# Altium PCB fMAX_MB.PcbDoc (part 1 of 13) (continued)
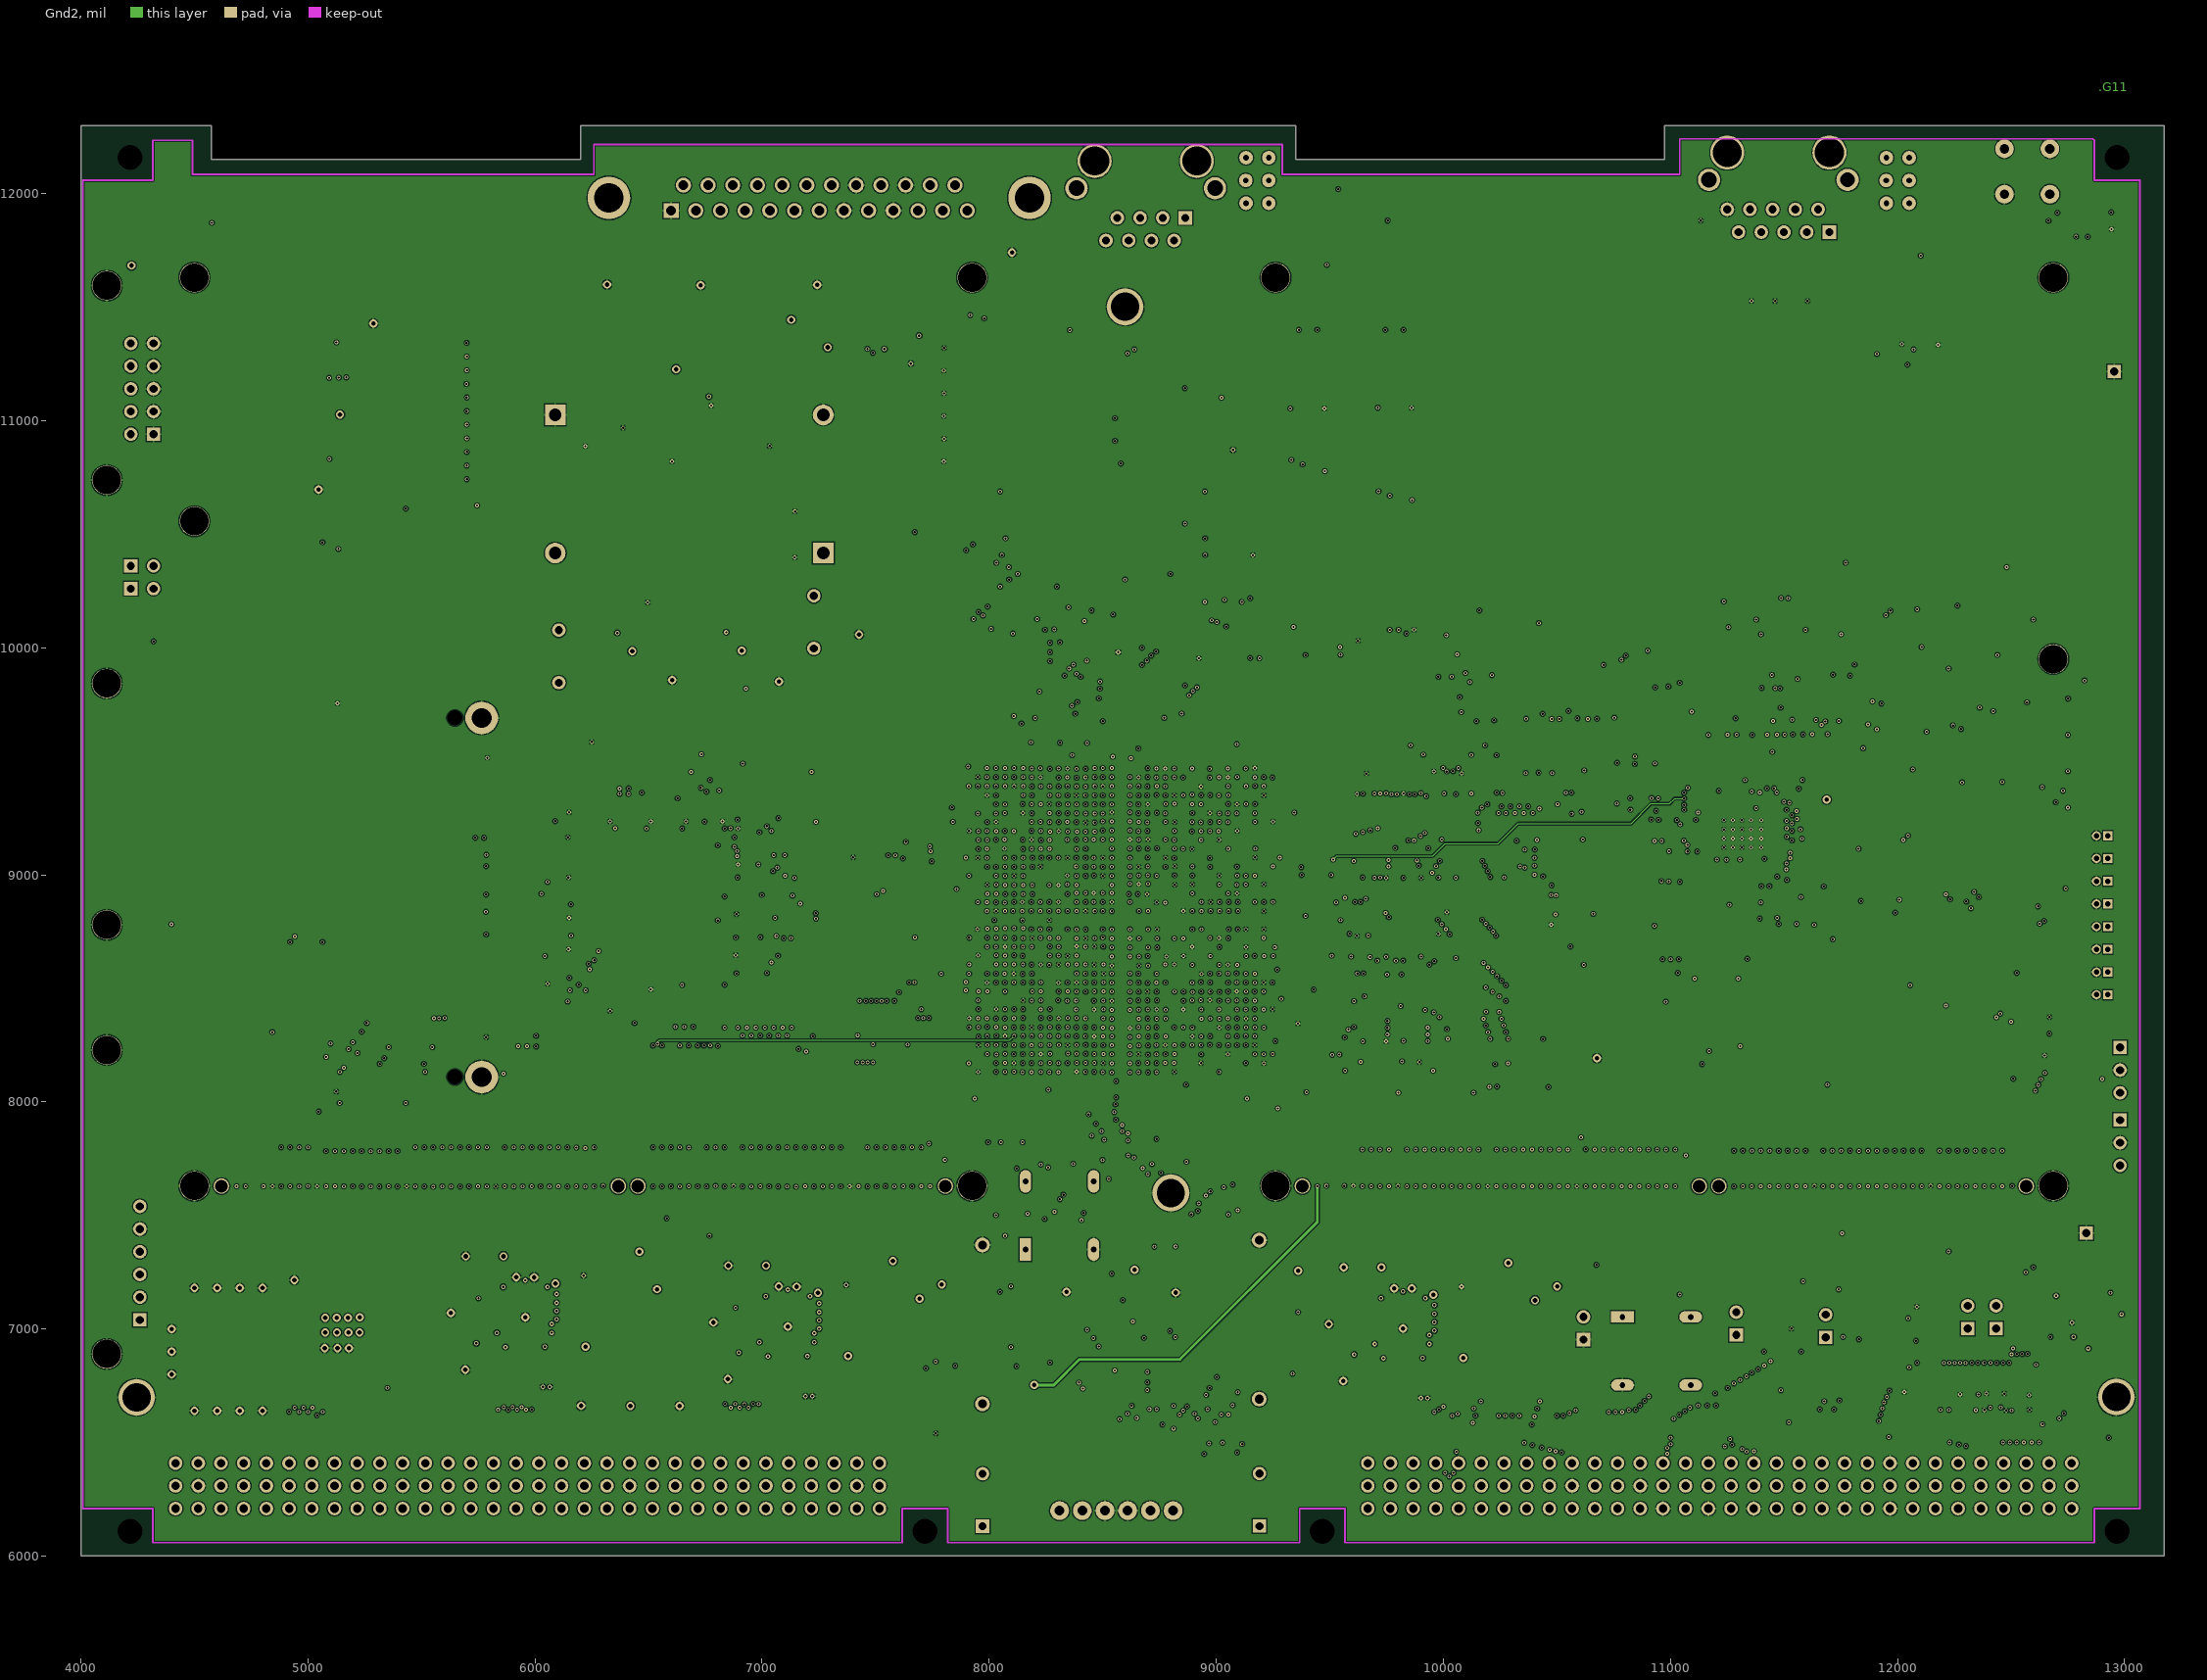
[diagram p12: Gnd2]
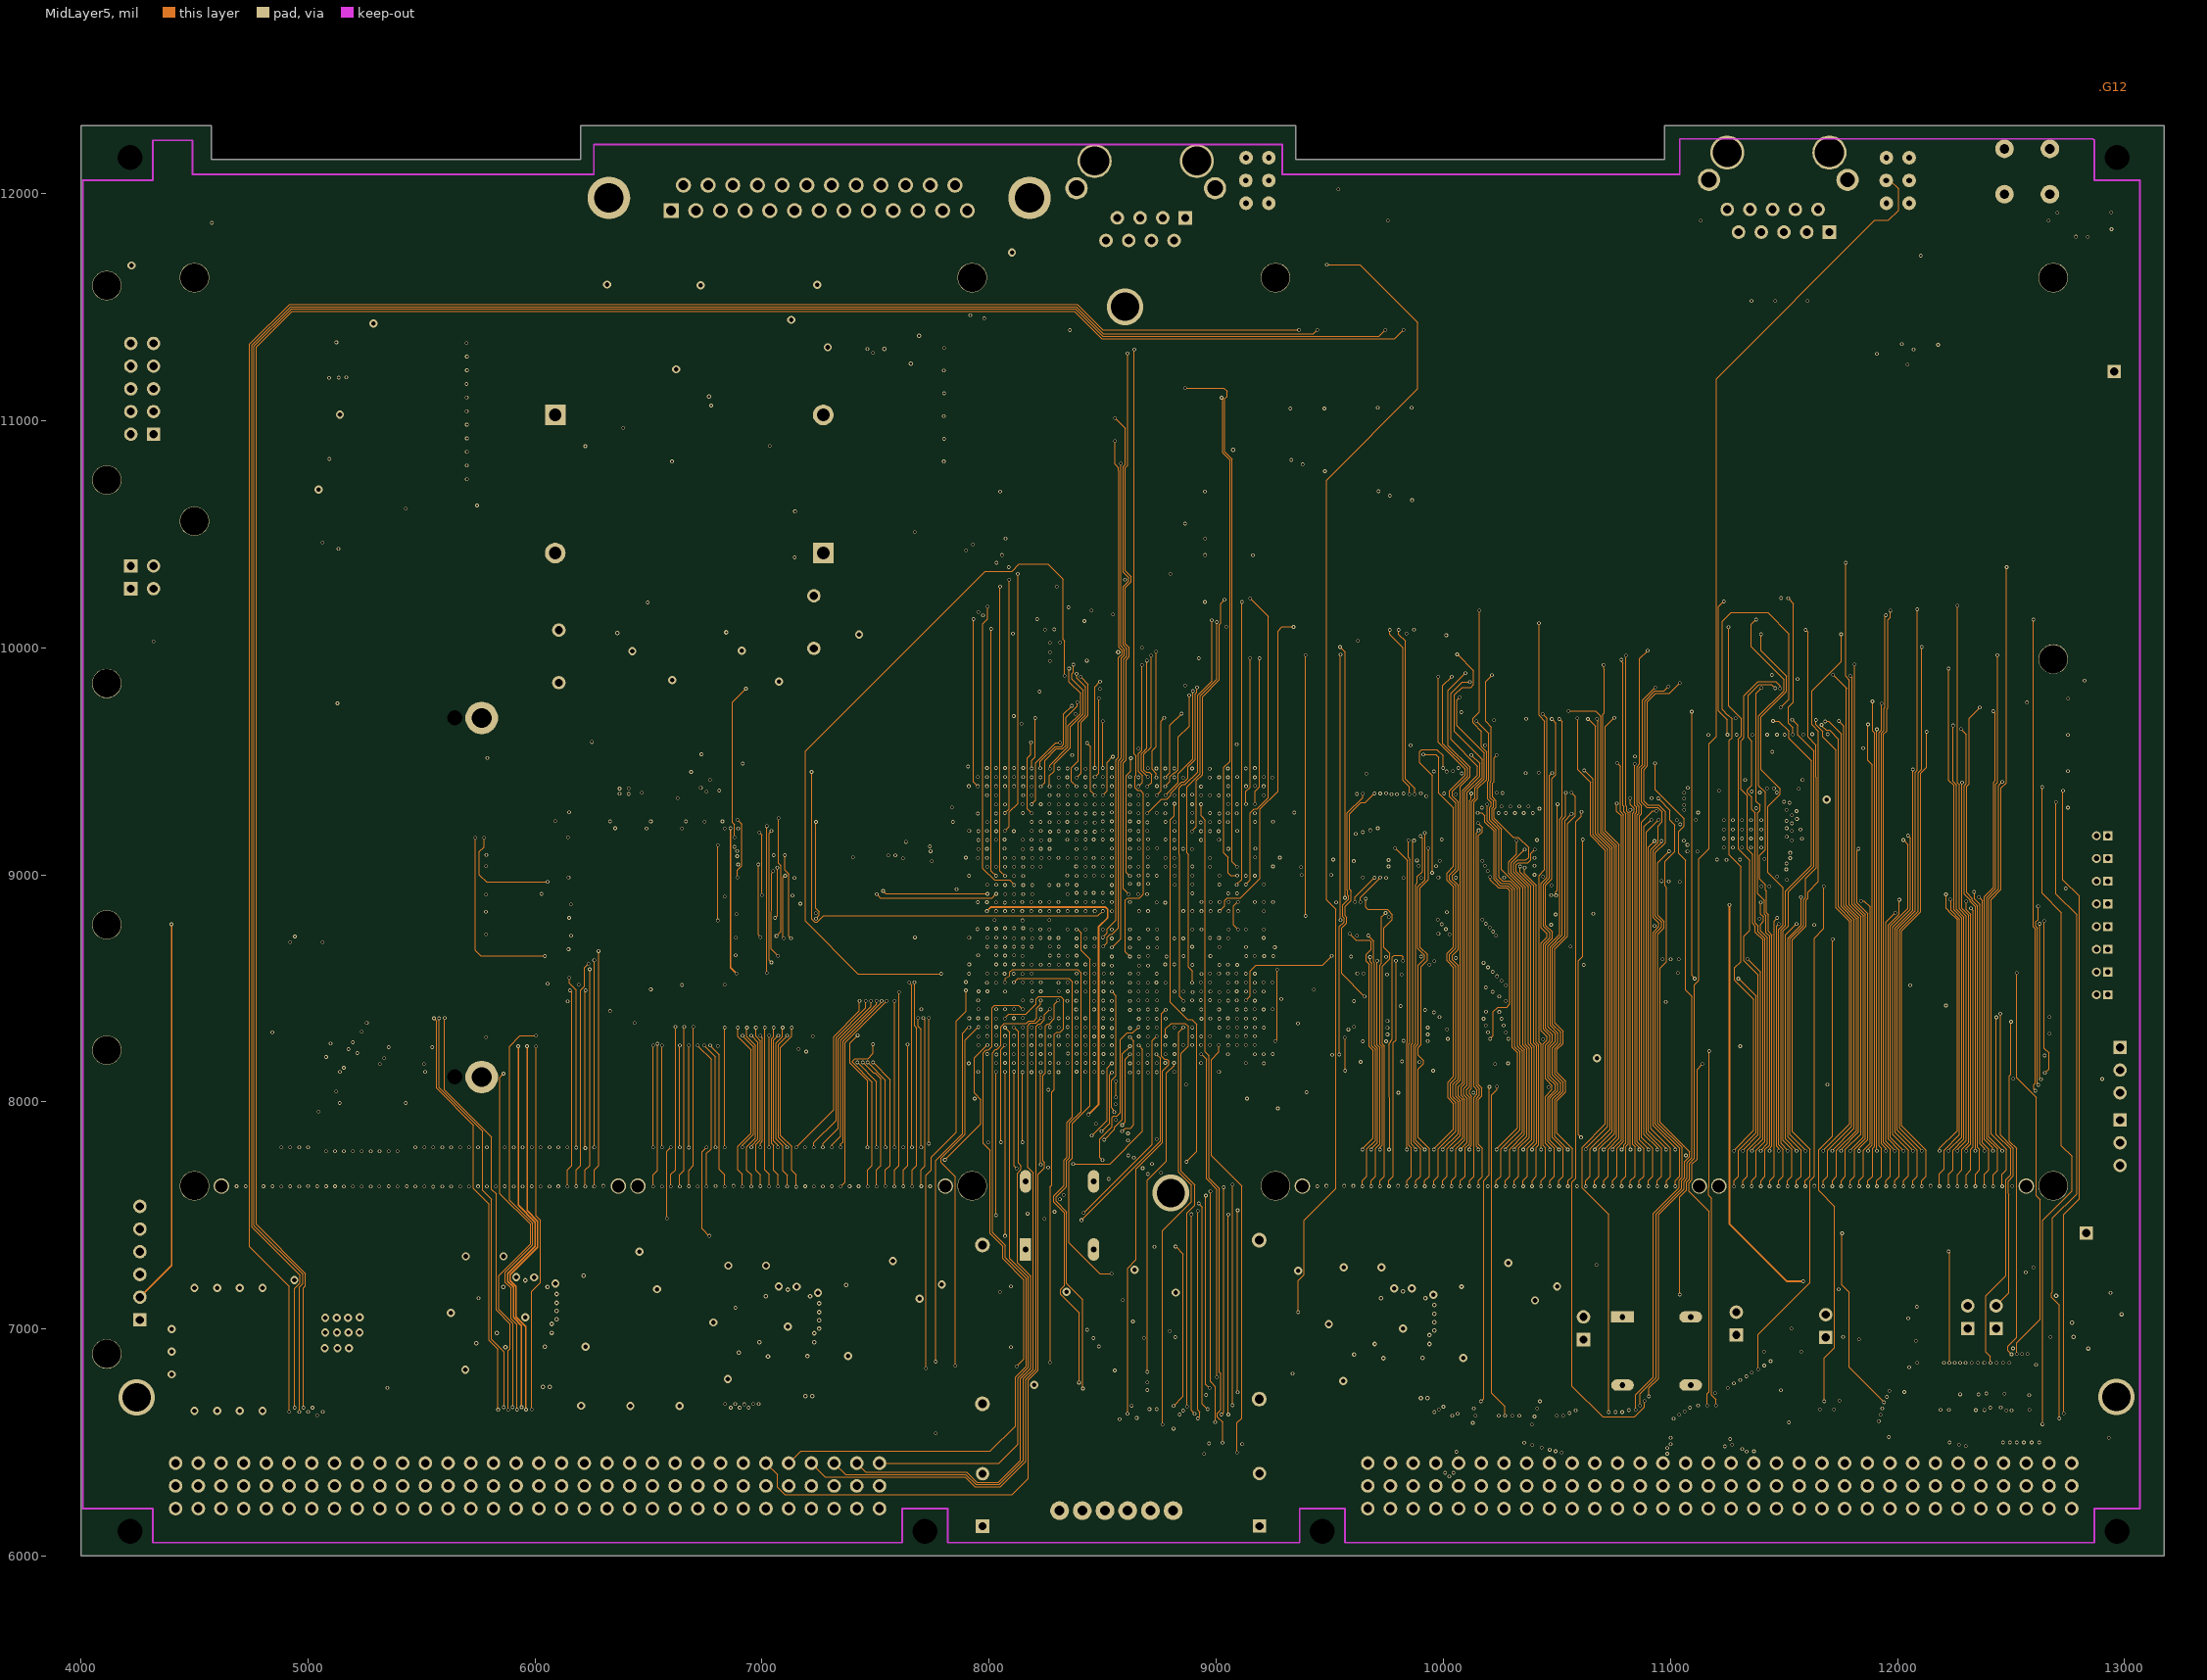
[diagram p13: MidLayer5]

## Layer stack, top to bottom
TopLayer: signal copper 1.4
Dielectric: prepreg 12.6, FR-4, Dk 4.8
Gnd1: signal copper 1.4
Dielectric: core 12.6, FR-4, Dk 4.8
MidLayer1: signal copper 1.4
Dielectric: prepreg 12.6, FR-4, Dk 4.8
Power1: signal copper 1.4
Dielectric: core 12.6, FR-4, Dk 4.8
MidLayer4: signal copper 1.4
Dielectric: prepreg 12.6, FR-4, Dk 4.8
Power2: signal copper 1.4
Dielectric: core 12.6, FR-4, Dk 4.8
MidLayer2: signal copper 1.4
Dielectric: prepreg 12.6, FR-4, Dk 4.8
Power3: signal copper 1.4
Dielectric: core 12.6, FR-4, Dk 4.8
MidLayer3: signal copper 1.4
Dielectric: prepreg 12.6, FR-4, Dk 4.8
Gnd3: signal copper 1.4
Dielectric: core 12.6, FR-4, Dk 4.8
MidLayer6: signal copper 1.4
Dielectric: prepreg 12.6, FR-4, Dk 4.8
Gnd2: signal copper 1.4
Dielectric: core 12.6, FR-4, Dk 4.8
MidLayer5: signal copper 1.4
Dielectric: prepreg 12.6, FR-4, Dk 4.8
BottomLayer: signal copper 1.4

## Board outline
4000,12300 4575,12300 4575,12150 6200,12150 6200,12300 9350,12300 9350,12150 10975,12150 10975,12300 13175,12300 13175,6000 4000,6000

## Design rules (kind name [scope] priority, off if disabled: settings)
Clearance Clearance_powers [(InNet('VOUT1') AND InNet('VOUT2') AND InNet('VOUT3')) vs InNet('GND')] p1: gap=10
Clearance Clearance_VAUXP [InNet('VAUXP') And OnLayer('Power1') vs InNet('VCC3V3') And OnLayer('Power1')] p2: gap=30
Clearance Clearance_VAUXN [InNet('VAUXN') And OnLayer('Power1') vs InNet('VCC3V3') And OnLayer('Power1')] p3: gap=30
Clearance Shield [(InNet('GND') AND InComponent('SH1') And InComponent('SH2') And InComponent('SH3') And InComponent('SH4'))] p4: gap=10 // Shield clearance
Clearance Clearance_1 [(InComponent('U20'))] p5: gap=3
Clearance Clearance_3 [All] p6: gap=5
Clearance Clearance_GNDTOP [OnLayer('TopLayer')] p7: gap=8
FabricationTestPointUsage TestPointUsage [All] p1: valid=0 allowmultiple=FALSE
FabricationTestpoint Testpoint [All] p1: side=3 testpointundercomponent=TRUE minsize=40 maxsize=100 preferedsize=60 minholesize=20 maxholesize=40 preferedholesize=32 testpointgrid=1 allowsidetop=TRUE allowsidebottom=TRUE usegrid=TRUE gridtolerance=0.01
PlaneClearance [All] p1: clearance=12
PlaneClearance PlaneClearance_3 [InNet('VCC3V3') And OnLayer('Power1')] p2: clearance=30
PlaneClearance PlaneClearance_2 [InNet('VAUXP') And OnLayer('Power1')] p3: clearance=40
PlaneClearance PlaneClearance_1 [InNet('VAUXN') And OnLayer('Power1')] p4: clearance=40
PlaneConnect [All] p1: planeconnectstyle=Direct reliefexpansion=10 reliefentries=4 reliefconductorwidth=6 reliefairgap=6
PolygonConnect [All] p1: connectstyle=Relief reliefconductorwidth=10 reliefentries=4 polygonreliefangle="90 Angle"
RoomDefinition U_PHY_RJ45 [InComponentClass('U_PHY_RJ45')] p1: confinementstyle=ConfineIn formatcopy=TRUE lockcomponents=FALSE outline 9307.88,11957.32 9307.88,12078.68 11109,12078.68 11109,12464 11841,12464 11841,9887.46 12994.44,9887.46 12994.44,9834.99 13020,9834.99 13020,9716.57 13010,9716.57 13010,9236.57 11824.74,9236.57 11824.74,8580.39 11640.74,8580.39 11640.74,8450.39 11469.17,8450.39 11469.17,8541.39 11294.85,8541.39 11294.85,8728.32 11252.88,8728.32 11252.88,8808.32 11112.88,8808.32 11112.88,8962.26 10614.39,8962.26 10614.39,11957.32
RoomDefinition BuckRegulator1 [InComponentClass('BuckRegulator1')] p2: confinementstyle=ConfineIn formatcopy=TRUE lockcomponents=FALSE outline 5500.39,7236.26 5500.39,7407.83 6114.39,7407.83 6114.39,7449.83 6445.45,7449.83 6445.45,7405.15 6678.61,7405.15 6678.61,6634.74 6692.61,6634.74 6692.61,6463.17 6361.55,6463.17 6361.55,6661.26 6074.39,6661.26 6074.39,6701.39 5894.85,6701.39 5894.85,6721.26 5538.39,6721.26 5538.39,7236.26
RoomDefinition U_Clock_distrubution [InComponentClass('U_Clock_distrubution')] p3: confinementstyle=ConfineIn formatcopy=TRUE lockcomponents=FALSE outline 10553.06,6889.06 10553.06,7116.94 10642.25,7116.94 10642.25,7260 10705.62,7260 10705.62,7209.12 11813.68,7209.12 11813.68,7165.94 12372.94,7165.94 12372.94,6938.06 12241.61,6938.06 12241.61,6883.95 11817.68,6883.95 11817.68,6793.88 11767.87,6793.88 11767.87,6742.31 11168.94,6742.31 11168.94,6692.88 10708.94,6692.88 10708.94,6889.06
RoomDefinition "U_Eurocard VME 6U P1" [InComponentClass('U_Eurocard VME 6U P1')] p4: confinementstyle=ConfineIn formatcopy=TRUE lockcomponents=FALSE outline 9352,5694 9352,6451 9905.65,6451 9905.65,6611.95 11683.32,6611.95 11683.32,6622.12 12035.39,6622.12 12035.39,6787.42 12224.15,6787.42 12224.15,6826.73 12658.52,6826.73 12658.52,6750.69 12863.12,6750.69 12863.12,6586.15 13030.61,6586.15 13030.61,6451 13082,6451 13082,5694
RoomDefinition BuckRegulator2 [InComponentClass('BuckRegulator2')] p5: confinementstyle=ConfineIn formatcopy=TRUE lockcomponents=FALSE outline 6694.57,7190.19 6694.57,7361.76 7254.39,7361.76 7254.39,7408.83 7585.45,7408.83 7585.45,7394.15 7830.61,7394.15 7830.61,7263.85 7793.94,7263.85 7793.94,6806.06 7574.74,6806.06 7574.74,6472.39 7403.17,6472.39 7403.17,6475.39 7239.17,6475.39 7239.17,6660.31 7051.02,6660.31 7051.02,6684.26 6711.39,6684.26 6711.39,7190.19
RoomDefinition U_Power_Delivery [InComponentClass('U_Power_Delivery')] p6: confinementstyle=ConfineIn formatcopy=TRUE lockcomponents=FALSE outline 7602.17,6455.39 7602.17,6786.45 7856.06,6786.45 7856.06,7414.48 9046.89,7414.48 9046.89,12472.5 9313.11,12472.5 9313.11,11826.13 9518.93,11826.13 9518.93,11285.06 13023.06,11285.06 13023.06,11146.94 12900.06,11146.94 12900.06,7352.94 9653.61,7352.94 9653.61,6452.17 9259.06,6452.17 9259.06,6089.14 8887.99,6089.14 8887.99,6059.02 8232.01,6059.02 8232.01,6089.14 7900.94,6089.14 7900.94,6455.39
RoomDefinition BuckRegulator3 [InComponentClass('BuckRegulator3')] p7: confinementstyle=ConfineIn formatcopy=TRUE lockcomponents=FALSE outline 9404.22,7182.19 9404.22,7353.76 9968.39,7353.76 9968.39,7455.83 10299.45,7455.83 10299.45,7447.15 10538.61,7447.15 10538.61,6802.74 10619.61,6802.74 10619.61,6631.17 10288.55,6631.17 10288.55,6649.26 9944.39,6649.26 9944.39,6652.31 9760.68,6652.31 9760.68,6671.26 9411.39,6671.26 9411.39,7182.19
RoomDefinition U_DDR-Memory [InComponentClass('U_DDR-Memory')] p8: confinementstyle=ConfineIn formatcopy=TRUE lockcomponents=FALSE outline 9366.26,8029.55 9366.26,8360.61 9593.27,8360.61 9593.27,9446.49 10448.55,9446.49 10448.55,9674.74 10779.61,9674.74 10779.61,8928.31 10817.67,8928.31 10817.67,8804.74 11160.61,8804.74 11160.61,8633.17 10989.74,8633.17 10989.74,7976.39 10818.17,7976.39 10818.17,7990.17 10456.55,7990.17 10456.55,8029.55
RoomDefinition U_SQUID_Power [InComponentClass('U_SQUID_Power')] p9: confinementstyle=ConfineIn formatcopy=TRUE lockcomponents=FALSE outline 5799.13,9943 5799.13,10330.87 6002.35,10330.87 6002.35,11082.17 6283.3,11082.17 6283.3,11377.13 6341.26,11377.13 6341.26,11700.61 6922.17,11700.61 6922.17,11706.45 7093.74,11706.45 7093.74,11534.7 7403.06,11534.7 7403.06,10269.94 7537.94,10269.94 7537.94,9882.06 7298.06,9882.06 7298.06,9766.14 7156,9766.14 7156,9679 6676,9679 6676,9676 6448.13,9676 6448.13,9729.91 6040.07,9729.91 6040.07,9943
RoomDefinition U_Mezz1 [InComponentClass('U_Mezz1')] p10: confinementstyle=ConfineIn formatcopy=TRUE lockcomponents=TRUE outline 4569,7486.06 4569,7773.94 4847.88,7773.94 4847.88,7885.69 4982.12,7885.69 4982.12,7773.94 6417,7773.94 6417,7768.94 7857,7768.94 7857,7486.06
RoomDefinition U_Mezz2 [InComponentClass('U_Mezz2')] p11: confinementstyle=ConfineIn formatcopy=TRUE lockcomponents=TRUE outline 9329,7486.06 9329,7773.94 9544.88,7773.94 9544.88,7861.69 9679.12,7861.69 9679.12,7773.94 11177,7773.94 11177,7768.94 12617,7768.94 12617,7486.06
RoomDefinition U_FPGA_Power [InComponentClass('U_FPGA_Power')] p12: confinementstyle=ConfineIn formatcopy=TRUE lockcomponents=FALSE outline 7463.06,8096.06 7463.06,8323.94 7585.31,8323.94 7585.31,9070.12 7626.06,9070.12 7626.06,9553.94 7694.31,9553.94 7694.31,9658.87 7823.57,9658.87 7823.57,9698.61 8389.57,9698.61 8389.57,9863.61 9172.06,9863.61 9172.06,10041.94 9559.94,10041.94 9559.94,9814.06 9494.43,9814.06 9494.43,7995.39 9395.12,7995.39 9395.12,7985.31 9387.31,7985.31 9387.31,7905.22 9386.31,7905.22 9386.31,7866.22 9272.78,7866.22 9272.78,7835.94 8605.43,7835.94 8605.43,7723.39 8510.57,7723.39 8510.57,7773.39 8213.57,7773.39 8213.57,7905.69 7753.22,7905.69 7753.22,8096.06
RoomDefinition U_SysACE_SysFLASH [InComponentClass('U_SysACE_SysFLASH')] p13: confinementstyle=ConfineIn formatcopy=TRUE lockcomponents=FALSE outline 4156.06,10196.06 4156.06,11477.98 4167.32,11477.98 4167.32,11999.21 11866.89,11999.21 11866.89,12472.5 12395.02,12472.5 12395.02,12525.96 12746.98,12525.96 12746.98,11955 12187.12,11955 12187.12,11363.04 12151.68,11363.04 12151.68,11212.88 9602.68,11212.88 9602.68,8912.13 9494.68,8912.13 9494.68,8870.13 9407.12,8870.13 9407.12,8659.32 8624.68,8659.32 8624.68,7952.88 4391.69,7952.88 4391.69,7132.88 4323.94,7132.88 4323.94,6976.06 4196.06,6976.06 4196.06,10196.06
RoomDefinition U_Banks_9_10 [InComponentClass('U_Banks_9_10')] p14: confinementstyle=ConfineIn formatcopy=TRUE lockcomponents=FALSE outline 8821.32,9532.88 8821.32,9667.12 8950.68,9667.12 8950.68,8356.68 9048.12,8356.68 9048.12,8293.32 9003.68,8293.32 9003.68,8150.88 8940.32,8150.88 8940.32,8293.32 8913.88,8293.32 8913.88,9532.88
RoomDefinition TemperatureSens2 [InComponentClass('TemperatureSens2')] p15: confinementstyle=ConfineIn formatcopy=TRUE lockcomponents=FALSE outline 10826,8455 11095,8455 11095,8610 10826,8610
RoomDefinition U_Banks_13_14 [InComponentClass('U_Banks_13_14')] p16: confinementstyle=ConfineIn formatcopy=TRUE lockcomponents=FALSE outline 8428.32,7952.88 8428.32,8087.12 8435.32,8087.12 8435.32,9668.12 8498.68,9668.12 8498.68,9665.12 8553.68,9665.12 8553.68,9530.88 8551.68,9530.88 8551.68,7952.88
RoomDefinition U_Banks_7_8 [InComponentClass('U_Banks_7_8')] p17: confinementstyle=ConfineIn formatcopy=TRUE lockcomponents=FALSE outline 7757.88,9042.32 7757.88,9105.68 7757.88,10609.38 7960.13,10609.38 8953.1,10609.38 8953.1,10721.74 9016.47,10721.74 9016.47,10675.68 9143.21,10675.68 9143.21,10396.68 9145.21,10396.68 9145.21,10206.2 9016.47,10206.2 9016.47,10167.5 8867.84,10167.5 8867.84,10132.62 8555.35,10132.62 8555.35,9948.32 7892.12,9948.32 7892.12,9042.32
RoomDefinition U_Banks_1_2 [InComponentClass('U_Banks_1_2')] p18: confinementstyle=ConfineIn formatcopy=TRUE lockcomponents=FALSE outline 7877.09,8097.09 7877.09,9534.41 8806.09,9534.41 8806.09,10055.52 8846.88,10055.52 8846.88,10124.68 8981.12,10124.68 8981.12,10055.52 9036.06,10055.52 9036.06,9534.41 9282.91,9534.41 9282.91,9221.14 12975.43,9221.14 12975.43,8303.94 13043.94,8303.94 13043.94,7656.06 12916.06,7656.06 12916.06,7999.13 12328.32,7999.13 12328.32,8097.09
RoomDefinition U_Banks_5_6 [InComponentClass('U_Banks_5_6')] p19: confinementstyle=ConfineIn formatcopy=TRUE lockcomponents=FALSE outline 8524.69,10754.22 8524.69,10805.78 8561.57,10805.78 8561.57,11000.99 8589.1,11000.99 8589.1,11135.43 9012.47,11135.43 9012.47,11000.99 9040,11000.99 9040,10028.12 11627.68,10028.12 11627.68,9607.12 11691.68,9607.12 11691.68,9472.88 9494.87,9472.88 9494.87,8416.32 9346.88,8416.32 9346.88,8418.88 9281.32,8418.88 9281.32,8592.32 9272.88,8592.32 8524.69,8592.32
RoomDefinition U_Comm_SQUID [InComponentClass('U_Comm_SQUID')] p20: confinementstyle=ConfineIn formatcopy=TRUE lockcomponents=FALSE outline 6194.38,11769.06 6194.38,12605 8312.8,12605 8312.8,12427.16 9055.38,12427.16 9055.38,11375.27 9856.06,11375.27 9856.06,11187.8 9897.73,11187.8 9897.73,10868.52 9514.81,10868.52 9514.81,10860.2 6857.69,10860.2 6857.69,9412.88 6794.31,9412.88 6794.31,11769.06
RoomDefinition RTerm1 [InComponentClass('RTerm1')] p21: confinementstyle=ConfineIn formatcopy=TRUE lockcomponents=FALSE outline 10252.44,8008.31 10252.44,8130.74 10465.35,8130.74 10465.35,8008.31 10431.12,8008.31 10431.12,7961.31 10283.13,7961.31 10283.13,8008.31
RoomDefinition RTerm6 [InComponentClass('RTerm6')] p22: confinementstyle=ConfineIn formatcopy=TRUE lockcomponents=FALSE outline 9922.44,8008.31 9922.44,8130.74 10135.35,8130.74 10135.35,8023.69 10248.87,8023.69 10248.87,7960.31 10100.88,7960.31 10100.88,8008.31
RoomDefinition RTerm8 [InComponentClass('RTerm8')] p23: confinementstyle=ConfineIn formatcopy=TRUE lockcomponents=FALSE outline 9582.44,8008.31 9582.44,8130.74 9795.35,8130.74 9795.35,8077.12 9866.68,8077.12 9866.68,7929.13 9803.32,7929.13 9803.32,8008.31
RoomDefinition RTerm5 [InComponentClass('RTerm5')] p24: confinementstyle=ConfineIn formatcopy=TRUE lockcomponents=FALSE outline 10220,9470 10440,9470 10440,9610 10220,9610
RoomDefinition U_Banks_11_12 [InComponentClass('U_Banks_11_12')] p25: confinementstyle=ConfineIn formatcopy=TRUE lockcomponents=FALSE outline 7712.88,8408.32 7712.88,8531.68 8188.31,8531.68 8188.31,9667.12 8311.68,9667.12 8311.68,9532.88 8311.68,8408.32 7847.12,8408.32
RoomDefinition RTerm7 [InComponentClass('RTerm7')] p26: confinementstyle=ConfineIn formatcopy=TRUE lockcomponents=FALSE outline 9760,8740 9980,8740 9980,8880 9760,8880
RoomDefinition RTerm3 [InComponentClass('RTerm3')] p27: confinementstyle=ConfineIn formatcopy=TRUE lockcomponents=FALSE outline 9540,8740 9760,8740 9760,8880 9540,8880
RoomDefinition RTerm2 [InComponentClass('RTerm2')] p28: confinementstyle=ConfineIn formatcopy=TRUE lockcomponents=FALSE outline 9910,9470 10130,9470 10130,9610 9910,9610
RoomDefinition UserCLK [InComponentClass('UserCLK')] p29: confinementstyle=ConfineIn formatcopy=TRUE lockcomponents=TRUE outline 8090,7270 8090,7730 8520,7730 8520,7270 8400.87,7270 8400.87,7208.31 8252.88,7208.31 8252.88,7270
RoomDefinition U_Housekeeping [InComponentClass('U_Housekeeping')] p30: confinementstyle=ConfineIn formatcopy=TRUE lockcomponents=FALSE outline 4942,10650 5535,10650 5535,11451 4942,11451
RoomDefinition TemperatureSens1 [InComponentClass('TemperatureSens1')] p31: confinementstyle=ConfineIn formatcopy=TRUE lockcomponents=FALSE outline 8480,6880 8690,6880 8690,7050 8480,7050
RoomDefinition TemperatureSens3 [InComponentClass('TemperatureSens3')] p32: confinementstyle=ConfineIn formatcopy=TRUE lockcomponents=FALSE outline 12740,11800 13020,11800 13020,11970 12740,11970
RoomDefinition RTerm4 [InComponentClass('RTerm4')] p33: confinementstyle=ConfineIn formatcopy=TRUE lockcomponents=FALSE outline 9590,9470 9810,9470 9810,9610 9590,9610
RoomDefinition U_Banks_3_4 [InComponentClass('U_Banks_3_4')] p34: confinementstyle=ConfineIn formatcopy=TRUE lockcomponents=FALSE outline 9546,9934 10016,9934 10016,10244 9546,10244
RoomDefinition U_Watchdog_Reset [InComponentClass('U_Watchdog_Reset')] p35: confinementstyle=ConfineIn formatcopy=TRUE lockcomponents=TRUE outline 12370.06,6938.06 12370.06,7165.94 12531.2,7165.94 12531.2,7177.75 12806.63,7177.75 12806.63,7193.18 12930,7193.18 12930,7053.18 13050,7053.18 13050,6918.95 12870.99,6918.95 12870.99,6786.85 12680.52,6786.85 12680.52,6894.38 12531.2,6894.38 12531.2,6938.06
RoomDefinition "U_Eurocard VME 6U P2" [InComponentClass('U_Eurocard VME 6U P2')] p36: confinementstyle=ConfineIn formatcopy=TRUE lockcomponents=TRUE outline 4102,5694 4102,6451 4884.65,6451 4884.65,6611.69 7017.56,6611.69 7017.56,6451 7832,6451 7832,5694
RoomDefinition Liner_Pos_Regulator [InComponentClass('Liner_Pos_Regulator')] p37: confinementstyle=ConfineIn formatcopy=TRUE lockcomponents=FALSE outline 4422,6635 5527,6635 5527,7396 4422,7396
RoutingLayers [All] p1: top layer_v5=TRUE mid layer 1_v5=TRUE mid layer 2_v5=TRUE mid layer 3_v5=TRUE mid layer 4_v5=TRUE mid layer 5_v5=TRUE mid layer 6_v5=TRUE mid layer 7_v5=TRUE mid layer 8_v5=TRUE mid layer 9_v5=FALSE mid layer 10_v5=FALSE mid layer 11_v5=FALSE mid layer 12_v5=FALSE bottom layer_v5=TRUE
RoutingVias [All] p1: holewidth=12 width=16 viastyle="Through Hole" minholewidth=10 minwidth=12 maxholewidth=28 maxwidth=50
SilkscreenOverComponentPads [All] p1: minsilkscreentomaskgap=10
SolderMaskExpansion [All] p1: expansion=2
Width Width_1 [All] p1: maxlimit=30 minlimit=4 preferedwidth=5 toplayer_prefwidth=4 midlayer5_prefwidth=6 midlayer6_prefwidth=12 midlayer8_prefwidth=6 minimp=50.000000 maximp=50.000000 favimp=50.000000
22 further rules are at their usual default settings.
